# Altium PCB main - Copy.PcbDoc (part 6 of 14)
Units mil, origin at the board's own origin, x right, y up, seen from the top; angles counter-clockwise.
Board outline 8394.55 x 5164.44 mil, 7 copper layers (Top Layer 1, Layer 2, Layer 3, Unused, Layer 4_pow, Layer 5_gnd, Bottom 6+gnd), stack 46.112 mil thick; 406 components, 463 nets, 1919 pads, 903 vias.
Unrouted connection lines stored in the file: 147.
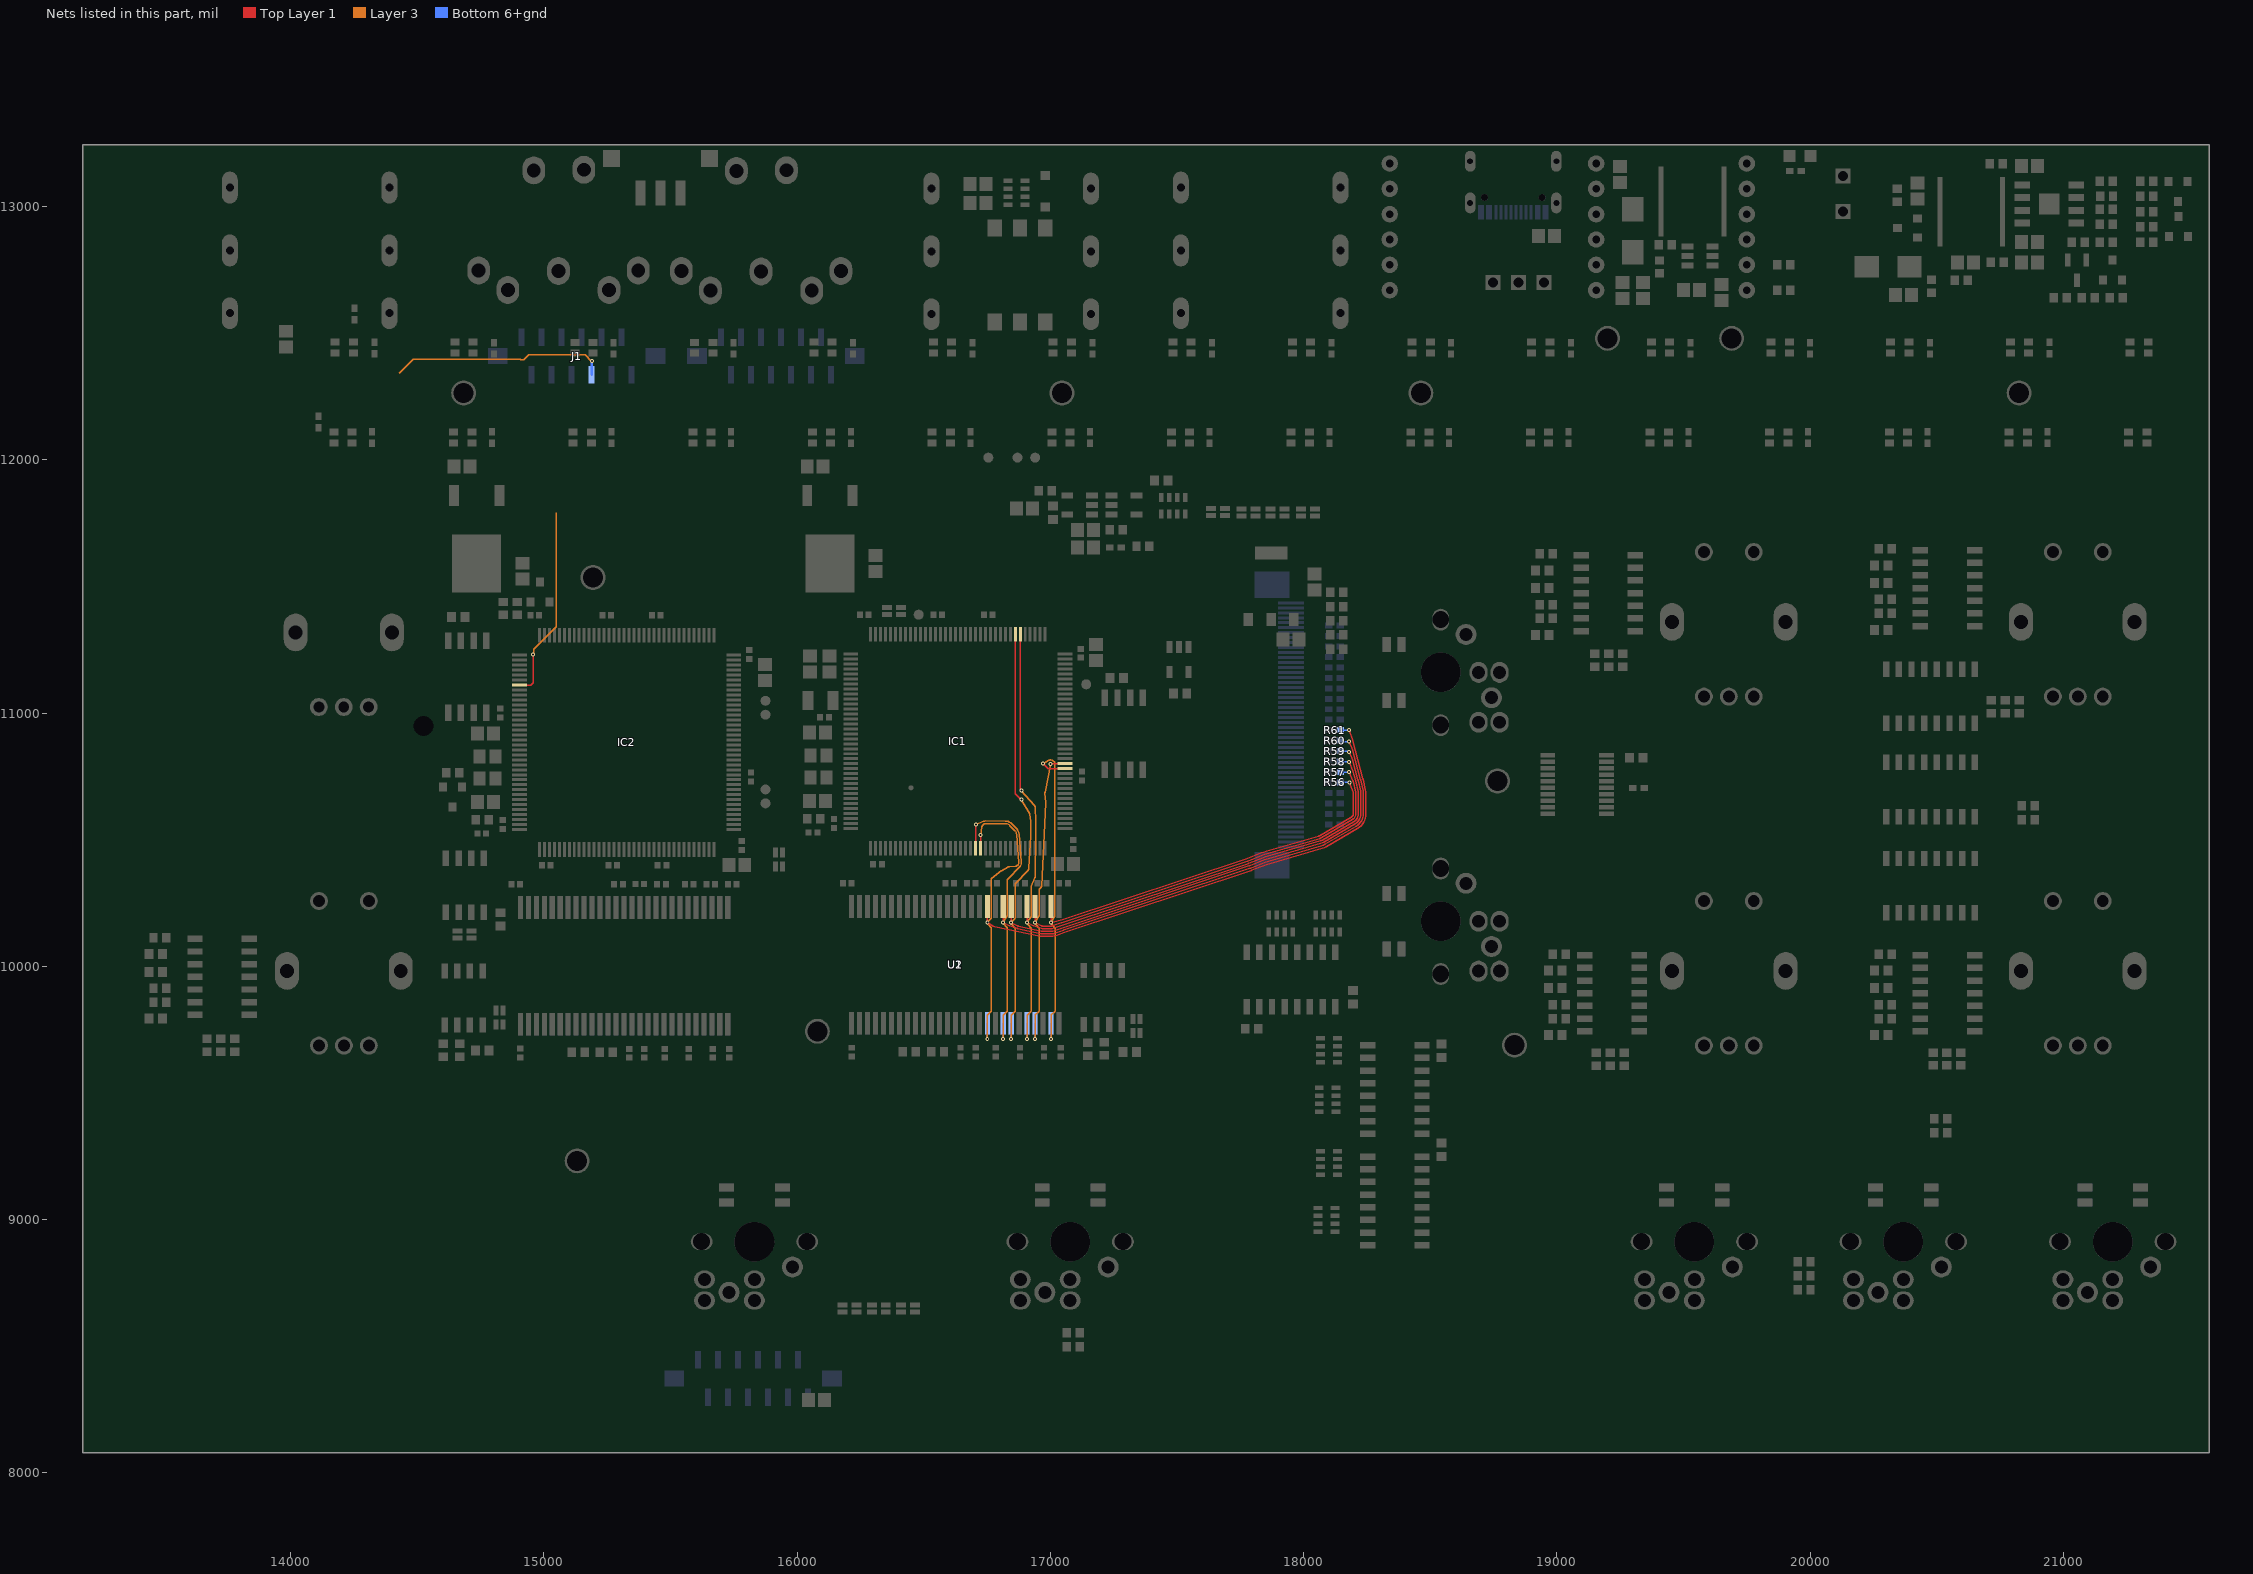
[diagram p10: the nets of this part, all layers, seen from the top]

## Via types
v1: diameter 15.75, hole 7.87, Top Layer 1 to Bottom 6+gnd, tented both sides, 830 vias
v2: diameter 27.56, hole 11.81, Top Layer 1 to Bottom 6+gnd, 45 vias
v3: diameter 23.62/23.62/23.62/23.62/23.62/23.62/23.62 (per signal layer), hole 12, Top Layer 1 to Bottom 6+gnd, tented top, 12 vias
v4: diameter 15.75, hole 7.87, Top Layer 1 to Bottom 6+gnd, 10 vias
v5: diameter 23.62/23.62/23.62/23.62/23.62/23.62/23.62 (per signal layer), hole 12, Top Layer 1 to Bottom 6+gnd, tented bottom, 6 vias

## Nets (pads, with @x,y where several pads share a name; then routed paths per layer and width w, separated by ;. In a path a pad name is that pad's centre, name@x,y a point inside that pad or via, vN(x,y) a via of type N, cw(c..) or ccw(c..) an arc to the next point about the centre after c; other vN are vias at no path point) (continued)
CODEC_GPIO: IC2.7 J1.8 | length 1623.4
  Top Layer 1 w5: IC2.7@14904,11111.01 14949.08,11111.01 14958.33,11120.26 14958.33,11230.5 v1(14957.71,11231.13)
  Layer 3 w5: 14428.42,12342.02 14483.61,12397.2 14906.05,12397.2 14908.63,12394.63 14921.37,12394.63 14940.84,12414.1 15162.99,12414.1 15187.09,12390 v1(15190,12390) ; v1(14957.71,11231.13) 14959.76,11233.19 14959.76,11252.74 15048.42,11341.4 15048.42,11790.83
  Bottom 6+gnd w10: J1.8@15190,12336.73 v1(15190,12390)
D0: IC1.85 R56.2 U1.2 U2.2 | length 3226.9
  Top Layer 1 w5: v1(16971.24,10800.87) 16991.56,10780.55 IC1.85@17057.76,10780.55 ; U1.2@17002.95,10236.22 17002.71,10193.72 v1(17002.71,10174.13) 17007.71,10174.13 ccw(c17007.71,10179.13) 17008.96,10174.29 17046.33,10183.96 ccw(c17044.45,10191.22) 17046.8,10184.1 17774.77,10424.93 ccw(c17770.06,10439.17) 17775.68,10425.27 17833.53,10448.1 cw(c17906.89,10262.58) 17851.59,10454.26 18060.03,10514.57 cw(c18062.86,10504.98) 18060.22,10514.62 ccw(c18056.25,10529.09) 18063.81,10516.13 18188.17,10588.71 ccw(c18180.42,10601.98) 18195.79,10601.98 18195.79,10681.98 ccw(c18180.42,10681.98) 18194.87,10687.24 v1(18180.42,10726.98)
  Layer 3 w5: v1(16971.24,10800.87) 16993.31,10813.13 ; v1(17002.71,9713.5) 17002.71,9805.11 cw(c17007.71,9805.12) 17004.15,9808.63 17017.37,9821.89 ; 16993.31,10813.13 cw(c17000.78,10799.69) 17008.7,10812.87 ; 16993.31,10813.13 cw(c17000.78,10799.69) 17008.7,10812.87 ; 16993.31,10813.13 cw(c17000.78,10799.69) 17008.7,10812.87 ; 16993.31,10813.13 cw(c17000.78,10799.69) 17008.7,10812.87 ; 16993.31,10813.13 cw(c17000.78,10799.69) 17008.7,10812.87 ; 16993.31,10813.13 cw(c17000.78,10799.69) 17008.7,10812.87 ; 16993.31,10813.13 cw(c17000.78,10799.69) 17008.7,10812.87 ; 16993.31,10813.13 cw(c17000.78,10799.69) 17008.7,10812.87 ; 16993.31,10813.13 cw(c17000.78,10799.69) 17008.7,10812.87 ; 16993.31,10813.13 cw(c17000.78,10799.69) 17008.7,10812.87 ; 16993.31,10813.13 cw(c17000.78,10799.69) 17008.7,10812.87 ; 16993.31,10813.13 cw(c17000.78,10799.69) 17008.7,10812.87 ; 16993.31,10813.13 cw(c17000.78,10799.69) 17008.7,10812.87 ; 16993.31,10813.13 cw(c17000.78,10799.69) 17008.7,10812.87 ; 16993.31,10813.13 cw(c17000.78,10799.69) 17008.7,10812.87 ; 16993.31,10813.13 cw(c17000.78,10799.69) 17008.7,10812.87 ; 17008.7,10812.87 17015.67,10808.67 ; 17015.67,10808.67 cw(c17013.1,10804.39) 17018.1,10804.48 ; 17015.67,10808.67 cw(c17013.1,10804.39) 17018.1,10804.48 ; 17015.67,10808.67 cw(c17013.1,10804.39) 17018.1,10804.48 ; 17015.67,10808.67 cw(c17013.1,10804.39) 17018.1,10804.48 ; 17015.67,10808.67 cw(c17013.1,10804.39) 17018.1,10804.48 ; 17015.67,10808.67 cw(c17013.1,10804.39) 17018.1,10804.48 ; 17015.67,10808.67 cw(c17013.1,10804.39) 17018.1,10804.48 ; 17015.67,10808.67 cw(c17013.1,10804.39) 17018.1,10804.48 ; 17015.67,10808.67 cw(c17013.1,10804.39) 17018.1,10804.48 ; 17015.67,10808.67 cw(c17013.1,10804.39) 17018.1,10804.48 ; 17015.67,10808.67 cw(c17013.1,10804.39) 17018.1,10804.48 ; 17015.67,10808.67 cw(c17013.1,10804.39) 17018.1,10804.48 ; 17015.67,10808.67 cw(c17013.1,10804.39) 17018.1,10804.48 ; 17015.67,10808.67 cw(c17013.1,10804.39) 17018.1,10804.48 ; 17015.67,10808.67 cw(c17013.1,10804.39) 17018.1,10804.48 ; 17015.67,10808.67 cw(c17013.1,10804.39) 17018.1,10804.48 ; 17017.37,9821.89 ccw(c17013.83,9825.42) 17018.83,9825.33 ; 17017.37,9821.89 ccw(c17013.83,9825.42) 17018.83,9825.33 ; 17017.37,9821.89 ccw(c17013.83,9825.42) 17018.83,9825.33 ; 17017.37,9821.89 ccw(c17013.83,9825.42) 17018.83,9825.33 ; 17017.37,9821.89 ccw(c17013.83,9825.42) 17018.83,9825.33 ; 17017.37,9821.89 ccw(c17013.83,9825.42) 17018.83,9825.33 ; 17017.37,9821.89 ccw(c17013.83,9825.42) 17018.83,9825.33 ; 17017.37,9821.89 ccw(c17013.83,9825.42) 17018.83,9825.33 ; 17017.37,9821.89 ccw(c17013.83,9825.42) 17018.83,9825.33 ; 17017.37,9821.89 ccw(c17013.83,9825.42) 17018.83,9825.33 ; 17017.37,9821.89 ccw(c17013.83,9825.42) 17018.83,9825.33 ; 17017.37,9821.89 ccw(c17013.83,9825.42) 17018.83,9825.33 ; 17017.78,10152.99 cw(c17013.83,10149.93) 17018.83,10150.02 ; 17017.78,10152.99 cw(c17013.83,10149.93) 17018.83,10150.02 ; 17017.78,10152.99 cw(c17013.83,10149.93) 17018.83,10150.02 ; 17017.78,10152.99 cw(c17013.83,10149.93) 17018.83,10150.02 ; 17017.78,10152.99 cw(c17013.83,10149.93) 17018.83,10150.02 ; 17017.78,10152.99 cw(c17013.83,10149.93) 17018.83,10150.02 ; 17017.78,10152.99 cw(c17013.83,10149.93) 17018.83,10150.02 ; 17017.78,10152.99 cw(c17013.83,10149.93) 17018.83,10150.02 ; 17017.78,10152.99 cw(c17013.83,10149.93) 17018.83,10150.02 ; 17017.78,10152.99 cw(c17013.83,10149.93) 17018.83,10150.02 ; 17017.78,10152.99 cw(c17013.83,10149.93) 17018.83,10150.02 ; 17017.78,10152.99 cw(c17013.83,10149.93) 17018.83,10150.02 ; 17017.78,10152.99 cw(c17013.83,10149.93) 17018.83,10150.02 ; 17017.78,10152.99 cw(c17013.83,10149.93) 17018.83,10150.02 ; 17017.78,10152.99 cw(c17013.83,10149.93) 17018.83,10150.02 ; 17017.78,10152.99 cw(c17013.83,10149.93) 17018.83,10150.02 ; 17017.78,10152.99 17003.76,10171.06 cw(c17007.71,10174.13) v1(17002.71,10174.13) 17002.71,10174.19 cw(c17007.71,10174.13) 17003.53,10176.88 17017.28,10197.8 ccw(c17013.1,10200.55) 17018.1,10200.46 17018.1,10804.48 ; 17018.83,9825.33 17018.83,10150.02
  Bottom 6+gnd w5: v1@17002.95,9713.75 U2.2@17002.95,9775.59 ; R56.2@18145.28,10726.14 18179.57,10726.14 v1(18180.42,10726.98)
D1: IC1.86 R57.2 U1.4 U2.4 | length 3162.8
  Top Layer 1 w5: U1.4@16939.72,10235.97 v1(16939.72,10174.13) 16941.2,10172.65 ccw(c16944.72,10176.21) 16942.41,10171.77 16964.17,10160.47 ccw(c16971.21,10174.13) 16971.21,10158.76 17002.71,10158.76 ccw(c17002.71,10174.13) 17007.91,10159.67 17043.25,10171.96 cw(c17068.11,10100.81) 17044.4,10172.35 17777.94,10415.45 ccw(c17770.06,10439.17) 17779.35,10415.97 17837.23,10438.81 cw(c17906.89,10262.58) 17854.35,10444.65 18062.86,10504.98 cw(c18065.64,10495.37) 18062.92,10504.99 ccw(c18056.25,10529.09) 18068.85,10507.5 18193.21,10580.07 ccw(c18180.42,10601.98) 18205.79,10601.98 18205.79,10681.98 ccw(c18180.42,10681.98) 18205.16,10687.62 18195.41,10730.4 ccw(c18180.42,10726.98) 18194.47,10733.21 v1(18179.31,10767.45) ; v1(17000.78,10799.69) 17001.05,10799.96 17057.48,10799.96 IC1.86@17057.6,10800.08
  Layer 3 w5: v1(16939.72,9713.5) 16939.72,9805.11 cw(c16944.72,9805.12) 16941.16,9808.63 16954.38,9821.89 ; 16963.54,10312.37 16955.84,10304.67 16955.84,10201.19 ; v1(17000.78,10799.69) 16978.75,10688.37 ; 16954.38,9821.89 ccw(c16950.84,9825.42) 16955.84,9825.33 ; 16954.38,9821.89 ccw(c16950.84,9825.42) 16955.84,9825.33 ; 16954.38,9821.89 ccw(c16950.84,9825.42) 16955.84,9825.33 ; 16954.38,9821.89 ccw(c16950.84,9825.42) 16955.84,9825.33 ; 16954.38,9821.89 ccw(c16950.84,9825.42) 16955.84,9825.33 ; 16954.38,9821.89 ccw(c16950.84,9825.42) 16955.84,9825.33 ; 16954.38,9821.89 ccw(c16950.84,9825.42) 16955.84,9825.33 ; 16954.38,9821.89 ccw(c16950.84,9825.42) 16955.84,9825.33 ; 16954.38,9821.89 ccw(c16950.84,9825.42) 16955.84,9825.33 ; 16954.38,9821.89 ccw(c16950.84,9825.42) 16955.84,9825.33 ; 16954.38,9821.89 ccw(c16950.84,9825.42) 16955.84,9825.33 ; 16954.38,9821.89 ccw(c16950.84,9825.42) 16955.84,9825.33 ; 16954.38,9821.89 ccw(c16950.84,9825.42) 16955.84,9825.33 ; 16954.38,9821.89 ccw(c16950.84,9825.42) 16955.84,9825.33 ; 16954.38,9821.89 ccw(c16950.84,9825.42) 16955.84,9825.33 ; 16954.38,9821.89 ccw(c16950.84,9825.42) 16955.84,9825.33 ; 16954.79,10152.99 cw(c16950.84,10149.93) 16955.84,10150.02 ; 16954.79,10152.99 cw(c16950.84,10149.93) 16955.84,10150.02 ; 16954.79,10152.99 cw(c16950.84,10149.93) 16955.84,10150.02 ; 16954.79,10152.99 cw(c16950.84,10149.93) 16955.84,10150.02 ; 16954.79,10152.99 cw(c16950.84,10149.93) 16955.84,10150.02 ; 16954.79,10152.99 cw(c16950.84,10149.93) 16955.84,10150.02 ; 16954.79,10152.99 cw(c16950.84,10149.93) 16955.84,10150.02 ; 16954.79,10152.99 cw(c16950.84,10149.93) 16955.84,10150.02 ; 16954.79,10152.99 cw(c16950.84,10149.93) 16955.84,10150.02 ; 16954.79,10152.99 cw(c16950.84,10149.93) 16955.84,10150.02 ; 16954.79,10152.99 cw(c16950.84,10149.93) 16955.84,10150.02 ; 16954.79,10152.99 cw(c16950.84,10149.93) 16955.84,10150.02 ; 16954.79,10152.99 cw(c16950.84,10149.93) 16955.84,10150.02 ; 16954.79,10152.99 cw(c16950.84,10149.93) 16955.84,10150.02 ; 16954.79,10152.99 cw(c16950.84,10149.93) 16955.84,10150.02 ; 16954.79,10152.99 cw(c16950.84,10149.93) 16955.84,10150.02 ; 16954.79,10152.99 16940.77,10171.06 cw(c16944.72,10174.13) v1(16939.72,10174.13) 16939.72,10174.19 cw(c16944.72,10174.13) 16940.55,10176.9 16955,10198.5 ; 16955,10198.5 ccw(c16950.84,10201.28) 16955.84,10201.19 ; 16955,10198.5 ccw(c16950.84,10201.28) 16955.84,10201.19 ; 16955,10198.5 ccw(c16950.84,10201.28) 16955.84,10201.19 ; 16955,10198.5 ccw(c16950.84,10201.28) 16955.84,10201.19 ; 16955,10198.5 ccw(c16950.84,10201.28) 16955.84,10201.19 ; 16955,10198.5 ccw(c16950.84,10201.28) 16955.84,10201.19 ; 16955,10198.5 ccw(c16950.84,10201.28) 16955.84,10201.19 ; 16955,10198.5 ccw(c16950.84,10201.28) 16955.84,10201.19 ; 16955,10198.5 ccw(c16950.84,10201.28) 16955.84,10201.19 ; 16955,10198.5 ccw(c16950.84,10201.28) 16955.84,10201.19 ; 16955,10198.5 ccw(c16950.84,10201.28) 16955.84,10201.19 ; 16955,10198.5 ccw(c16950.84,10201.28) 16955.84,10201.19 ; 16955,10198.5 ccw(c16950.84,10201.28) 16955.84,10201.19 ; 16955,10198.5 ccw(c16950.84,10201.28) 16955.84,10201.19 ; 16955,10198.5 ccw(c16950.84,10201.28) 16955.84,10201.19 ; 16955,10198.5 ccw(c16950.84,10201.28) 16955.84,10201.19 ; 16955.84,9825.33 16955.84,10150.02 ; 16963.55,10312.39 ccw(c16959.97,10315.88) 16964.96,10315.61 ; 16963.55,10312.39 ccw(c16959.97,10315.88) 16964.96,10315.61 ; 16963.55,10312.39 ccw(c16959.97,10315.88) 16964.96,10315.61 ; 16963.55,10312.39 ccw(c16959.97,10315.88) 16964.96,10315.61 ; 16963.55,10312.39 ccw(c16959.97,10315.88) 16964.96,10315.61 ; 16963.55,10312.39 ccw(c16959.97,10315.88) 16964.96,10315.61 ; 16963.55,10312.39 ccw(c16959.97,10315.88) 16964.96,10315.61 ; 16963.55,10312.39 ccw(c16959.97,10315.88) 16964.96,10315.61 ; 16963.55,10312.39 ccw(c16959.97,10315.88) 16964.96,10315.61 ; 16963.55,10312.39 ccw(c16959.97,10315.88) 16964.96,10315.61 ; 16963.55,10312.39 ccw(c16959.97,10315.88) 16964.96,10315.61 ; 16963.55,10312.39 ccw(c16959.97,10315.88) 16964.96,10315.61 ; 16963.55,10312.39 ccw(c16959.97,10315.88) 16964.96,10315.61 ; 16963.55,10312.39 ccw(c16959.97,10315.88) 16964.96,10315.61 ; 16963.55,10312.39 ccw(c16959.97,10315.88) 16964.96,10315.61 ; 16963.55,10312.39 ccw(c16959.97,10315.88) 16964.96,10315.61 ; 16964.96,10315.61 16982.44,10645.65 ; 16978.56,10683.74 cw(c16993.84,10685.43) 16978.75,10688.37 ; 16978.56,10683.74 cw(c16993.84,10685.43) 16978.75,10688.37 ; 16978.56,10683.74 cw(c16993.84,10685.43) 16978.75,10688.37 ; 16978.56,10683.74 cw(c16993.84,10685.43) 16978.75,10688.37 ; 16978.56,10683.74 cw(c16993.84,10685.43) 16978.75,10688.37 ; 16978.56,10683.74 cw(c16993.84,10685.43) 16978.75,10688.37 ; 16978.56,10683.74 cw(c16993.84,10685.43) 16978.75,10688.37 ; 16978.56,10683.74 cw(c16993.84,10685.43) 16978.75,10688.37 ; 16978.56,10683.74 cw(c16993.84,10685.43) 16978.75,10688.37 ; 16978.56,10683.74 cw(c16993.84,10685.43) 16978.75,10688.37 ; 16978.56,10683.74 cw(c16993.84,10685.43) 16978.75,10688.37 ; 16978.56,10683.74 cw(c16993.84,10685.43) 16978.75,10688.37 ; 16978.56,10683.74 cw(c16993.84,10685.43) 16978.75,10688.37 ; 16978.56,10683.74 cw(c16993.84,10685.43) 16978.75,10688.37 ; 16978.56,10683.74 cw(c16993.84,10685.43) 16978.75,10688.37 ; 16978.56,10683.74 cw(c16993.84,10685.43) 16978.75,10688.37 ; 16978.56,10683.74 16982.38,10648.16 ; 16982.38,10648.16 cw(c16967.09,10646.51) 16982.44,10645.65 ; 16982.38,10648.16 cw(c16967.09,10646.51) 16982.44,10645.65 ; 16982.38,10648.16 cw(c16967.09,10646.51) 16982.44,10645.65 ; 16982.38,10648.16 cw(c16967.09,10646.51) 16982.44,10645.65 ; 16982.38,10648.16 cw(c16967.09,10646.51) 16982.44,10645.65 ; 16982.38,10648.16 cw(c16967.09,10646.51) 16982.44,10645.65 ; 16982.38,10648.16 cw(c16967.09,10646.51) 16982.44,10645.65 ; 16982.38,10648.16 cw(c16967.09,10646.51) 16982.44,10645.65 ; 16982.38,10648.16 cw(c16967.09,10646.51) 16982.44,10645.65 ; 16982.38,10648.16 cw(c16967.09,10646.51) 16982.44,10645.65 ; 16982.38,10648.16 cw(c16967.09,10646.51) 16982.44,10645.65 ; 16982.38,10648.16 cw(c16967.09,10646.51) 16982.44,10645.65 ; 16982.38,10648.16 cw(c16967.09,10646.51) 16982.44,10645.65 ; 16982.38,10648.16 cw(c16967.09,10646.51) 16982.44,10645.65 ; 16982.38,10648.16 cw(c16967.09,10646.51) 16982.44,10645.65 ; 16982.38,10648.16 cw(c16967.09,10646.51) 16982.44,10645.65
  Bottom 6+gnd w5: v1@16939.96,9713.75 U2.4@16939.96,9775.59 ; R57.2@18145.28,10767.45 v1(18179.31,10767.45)
D2: IC1.114 R58.2 U1.5 U2.5 | length 3747.1
  Top Layer 1 w5: IC1.114@16881.06,11311.57 16881.06,10700.66 16885,10696.73 v1(16885,10693.82) ; v1(16908.22,10174.13) 16908.22,10193.72 U1.5@16908.46,10236.22 ; v1@16910.7,10172.67 ccw(c16913.22,10176.99) 16910.79,10172.62 16932.32,10160.65 ccw(c16939.72,10174.13) 16934.77,10159.58 16963.19,10150.06 ccw(c16971.21,10174.13) 16971.21,10148.76 17002.71,10148.76 ccw(c17002.71,10174.13) 17011.17,10150.21 17046.53,10162.52 cw(c17068.11,10100.81) 17047.55,10162.86 17781.05,10405.95 ccw(c17770.06,10439.17) 17783.02,10406.66 17840.95,10429.53 cw(c17906.89,10262.58) 17857.09,10435.03 18065.64,10495.37 ccw(c18056.25,10529.09) 18073.89,10498.86 18198.25,10571.43 ccw(c18180.42,10601.98) 18215.79,10601.98 18215.79,10681.98 ccw(c18180.42,10681.98) 18214.91,10689.85 18205.16,10732.62 ccw(c18180.42,10726.98) 18204.82,10733.92 18194.1,10771.66 ccw(c18179.31,10767.45) 18193.5,10773.36 v1(18179.31,10807.45)
  Layer 3 w5: v1(16885,10693.82) 16935.99,10637.17 cw(c16924.56,10626.89) 16939.9,10627.9 16939.91,10627.74 16943.06,10572.32 ; v1(16908.22,9713.5) 16908.22,9805.11 cw(c16913.22,9805.12) 16909.67,9808.63 16922.88,9821.89 ; 16922.88,9821.89 ccw(c16919.34,9825.42) 16924.34,9825.33 ; 16922.88,9821.89 ccw(c16919.34,9825.42) 16924.34,9825.33 ; 16922.88,9821.89 ccw(c16919.34,9825.42) 16924.34,9825.33 ; 16922.88,9821.89 ccw(c16919.34,9825.42) 16924.34,9825.33 ; 16922.88,9821.89 ccw(c16919.34,9825.42) 16924.34,9825.33 ; 16922.88,9821.89 ccw(c16919.34,9825.42) 16924.34,9825.33 ; 16922.88,9821.89 ccw(c16919.34,9825.42) 16924.34,9825.33 ; 16922.88,9821.89 ccw(c16919.34,9825.42) 16924.34,9825.33 ; 16922.88,9821.89 ccw(c16919.34,9825.42) 16924.34,9825.33 ; 16922.88,9821.89 ccw(c16919.34,9825.42) 16924.34,9825.33 ; 16922.88,9821.89 ccw(c16919.34,9825.42) 16924.34,9825.33 ; 16922.88,9821.89 ccw(c16919.34,9825.42) 16924.34,9825.33 ; 16922.88,9821.89 ccw(c16919.34,9825.42) 16924.34,9825.33 ; 16922.88,9821.89 ccw(c16919.34,9825.42) 16924.34,9825.33 ; 16922.88,9821.89 ccw(c16919.34,9825.42) 16924.34,9825.33 ; 16922.88,9821.89 ccw(c16919.34,9825.42) 16924.34,9825.33 ; 16923.29,10152.99 cw(c16919.34,10149.93) 16924.34,10150.02 ; 16923.29,10152.99 cw(c16919.34,10149.93) 16924.34,10150.02 ; 16923.29,10152.99 cw(c16919.34,10149.93) 16924.34,10150.02 ; 16923.29,10152.99 cw(c16919.34,10149.93) 16924.34,10150.02 ; 16923.29,10152.99 cw(c16919.34,10149.93) 16924.34,10150.02 ; 16923.29,10152.99 cw(c16919.34,10149.93) 16924.34,10150.02 ; 16923.29,10152.99 cw(c16919.34,10149.93) 16924.34,10150.02 ; 16923.29,10152.99 cw(c16919.34,10149.93) 16924.34,10150.02 ; 16923.29,10152.99 cw(c16919.34,10149.93) 16924.34,10150.02 ; 16923.29,10152.99 cw(c16919.34,10149.93) 16924.34,10150.02 ; 16923.29,10152.99 cw(c16919.34,10149.93) 16924.34,10150.02 ; 16923.29,10152.99 cw(c16919.34,10149.93) 16924.34,10150.02 ; 16923.29,10152.99 cw(c16919.34,10149.93) 16924.34,10150.02 ; 16923.29,10152.99 cw(c16919.34,10149.93) 16924.34,10150.02 ; 16923.29,10152.99 cw(c16919.34,10149.93) 16924.34,10150.02 ; 16923.29,10152.99 cw(c16919.34,10149.93) 16924.34,10150.02 ; 16923.29,10152.99 16909.3,10171.03 cw(c16913.22,10174.13) v1(16908.22,10174.13) 16908.22,10174.19 cw(c16913.22,10174.13) 16909.3,10177.24 16923.75,10195.45 ; 16923.75,10195.45 ccw(c16919.83,10198.56) 16924.83,10198.47 ; 16923.75,10195.45 ccw(c16919.83,10198.56) 16924.83,10198.47 ; 16923.75,10195.45 ccw(c16919.83,10198.56) 16924.83,10198.47 ; 16923.75,10195.45 ccw(c16919.83,10198.56) 16924.83,10198.47 ; 16923.75,10195.45 ccw(c16919.83,10198.56) 16924.83,10198.47 ; 16923.75,10195.45 ccw(c16919.83,10198.56) 16924.83,10198.47 ; 16923.75,10195.45 ccw(c16919.83,10198.56) 16924.83,10198.47 ; 16923.75,10195.45 ccw(c16919.83,10198.56) 16924.83,10198.47 ; 16923.75,10195.45 ccw(c16919.83,10198.56) 16924.83,10198.47 ; 16923.75,10195.45 ccw(c16919.83,10198.56) 16924.83,10198.47 ; 16923.75,10195.45 ccw(c16919.83,10198.56) 16924.83,10198.47 ; 16923.75,10195.45 ccw(c16919.83,10198.56) 16924.83,10198.47 ; 16923.75,10195.45 ccw(c16919.83,10198.56) 16924.83,10198.47 ; 16923.75,10195.45 ccw(c16919.83,10198.56) 16924.83,10198.47 ; 16923.75,10195.45 ccw(c16919.83,10198.56) 16924.83,10198.47 ; 16923.75,10195.45 ccw(c16919.83,10198.56) 16924.83,10198.47 ; 16924.34,9825.33 16924.34,10150.02 ; 16924.83,10198.47 16924.83,10314.09 cw(c16929.83,10314.1) 16925.19,10315.95 16938.56,10349.4 ; 16938.56,10349.4 ccw(c16915,10358.82) 16940.37,10358.48 ; 16938.56,10349.4 ccw(c16915,10358.82) 16940.37,10358.48 ; 16938.56,10349.4 ccw(c16915,10358.82) 16940.37,10358.48 ; 16938.56,10349.4 ccw(c16915,10358.82) 16940.37,10358.48 ; 16938.56,10349.4 ccw(c16915,10358.82) 16940.37,10358.48 ; 16938.56,10349.4 ccw(c16915,10358.82) 16940.37,10358.48 ; 16938.56,10349.4 ccw(c16915,10358.82) 16940.37,10358.48 ; 16938.56,10349.4 ccw(c16915,10358.82) 16940.37,10358.48 ; 16938.56,10349.4 ccw(c16915,10358.82) 16940.37,10358.48 ; 16938.56,10349.4 ccw(c16915,10358.82) 16940.37,10358.48 ; 16938.56,10349.4 ccw(c16915,10358.82) 16940.37,10358.48 ; 16938.56,10349.4 ccw(c16915,10358.82) 16940.37,10358.48 ; 16938.56,10349.4 ccw(c16915,10358.82) 16940.37,10358.48 ; 16938.56,10349.4 ccw(c16915,10358.82) 16940.37,10358.48 ; 16938.56,10349.4 ccw(c16915,10358.82) 16940.37,10358.48 ; 16938.56,10349.4 ccw(c16915,10358.82) 16940.37,10358.48 ; 16940.37,10358.48 16942.46,10516.74 16943.11,10569.88 ; 16943.06,10572.32 cw(c16907.74,10570.31) 16943.11,10569.88 ; 16943.06,10572.32 cw(c16907.74,10570.31) 16943.11,10569.88 ; 16943.06,10572.32 cw(c16907.74,10570.31) 16943.11,10569.88 ; 16943.06,10572.32 cw(c16907.74,10570.31) 16943.11,10569.88 ; 16943.06,10572.32 cw(c16907.74,10570.31) 16943.11,10569.88 ; 16943.06,10572.32 cw(c16907.74,10570.31) 16943.11,10569.88 ; 16943.06,10572.32 cw(c16907.74,10570.31) 16943.11,10569.88 ; 16943.06,10572.32 cw(c16907.74,10570.31) 16943.11,10569.88 ; 16943.06,10572.32 cw(c16907.74,10570.31) 16943.11,10569.88 ; 16943.06,10572.32 cw(c16907.74,10570.31) 16943.11,10569.88 ; 16943.06,10572.32 cw(c16907.74,10570.31) 16943.11,10569.88 ; 16943.06,10572.32 cw(c16907.74,10570.31) 16943.11,10569.88 ; 16943.06,10572.32 cw(c16907.74,10570.31) 16943.11,10569.88 ; 16943.06,10572.32 cw(c16907.74,10570.31) 16943.11,10569.88 ; 16943.06,10572.32 cw(c16907.74,10570.31) 16943.11,10569.88 ; 16943.06,10572.32 cw(c16907.74,10570.31) 16943.11,10569.88